# Altium PCB Board.PcbDoc (part 3 of 7)
Units mil, origin at the board's own origin, x right, y up, seen from the top; angles counter-clockwise.
Board outline 7091.76 x 4731.03 mil, 4 copper layers (Top Layer, GND, VCC, Bottom Layer); 297 components, 197 nets, 1031 pads, 468 vias.
Unrouted connection lines stored in the file: 1.
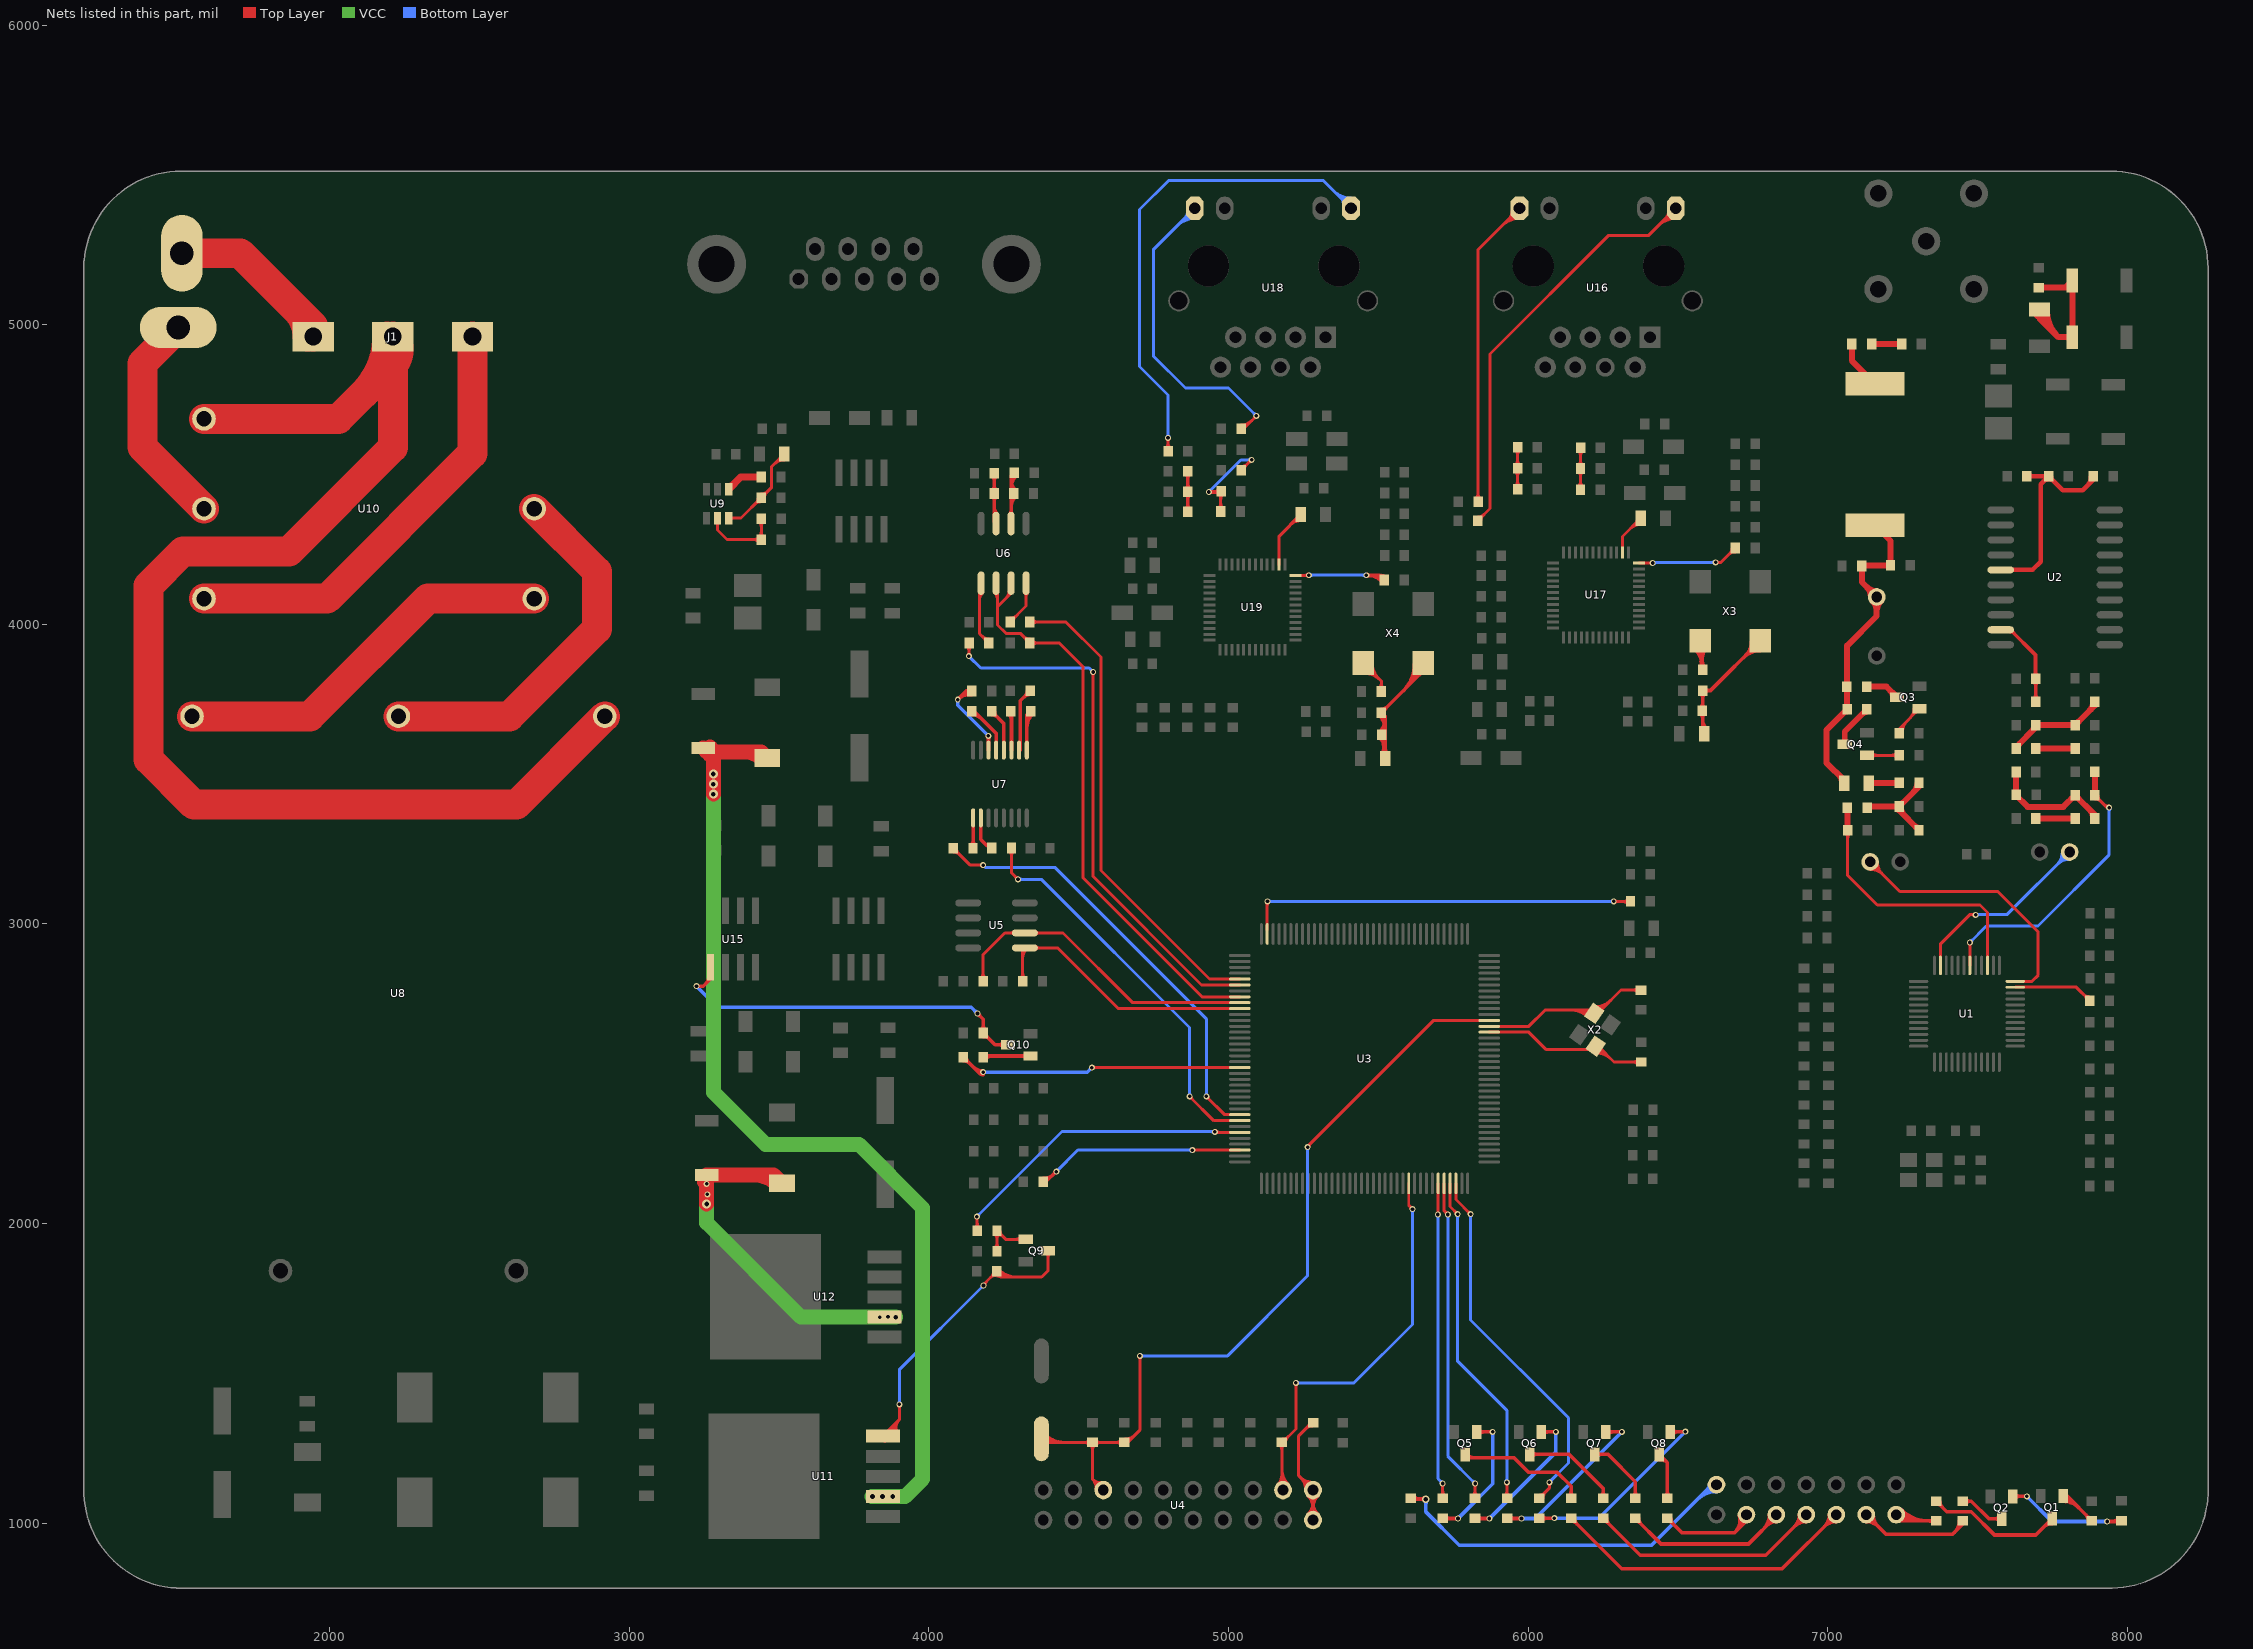
[diagram p5: the nets of this part, all layers, seen from the top]

## Via types
v1: diameter 20, hole 12, Top Layer to Bottom Layer, 399 vias
v2: diameter 30, hole 16, Top Layer to Bottom Layer, 68 vias
v3: diameter 25, hole 15, Top Layer to Bottom Layer, 1 vias

## Nets (pads, with @x,y where several pads share a name; then routed paths per layer and width w, separated by ;. In a path a pad name is that pad's centre, name@x,y a point inside that pad or via, vN(x,y) a via of type N, cw(c..) or ccw(c..) an arc to the next point about the centre after c; other vN are vias at no path point) (continued)
NetC4_2: C4.2 R8.2 U1.6 | length 1082
  Top Layer w10: v1@7471.46,2934.46 cw(c7463.31,2926.31) 7474.84,2926.31 ; U1.6@7474.84,2861.42 7474.84,2937.84 v1(7475,2938) ; 7474.84,2925.55 cw(c7487.45,2925.55) v1@7478.54,2934.46 ; R8.2@7892,3417.12 cw(c7892,3386.42) 7913.71,3408.12 ; R8.2@7892,3429.83 7933.83,3388 v1(7940,3388) ; R8.2@7902.75,3427.86 ccw(c7923.94,3427.86) 7908.96,3412.88 ; 7920.94,3400.9 ccw(c7940,3419.96) v1@7940,3393
  Top Layer w20: R8.2@7892,3429.83 C4.2@7892,3507.67
  Bottom Layer w10: v1(7475,2938) 7530,2993 7702,2993 7940,3231 v1(7940,3388) ; v1@7475,2943 ccw(c7475,2955.07) 7483.54,2946.54 ccw(c7492.07,2938) v1@7480,2938 ; v1@7936.46,3384.46 cw(c7927.93,3375.93) 7940,3375.93 cw(c7952.07,3375.93) v1@7943.54,3384.46
NetC5_1: C5.1 R7.1 | length 131
  Top Layer w20: C5.1@7695,3352 R7.1@7826,3352
NetC7_1: C7.1 R10.1 | length 131.1
  Top Layer w20: R10.1@7695,3585.78 7825.72,3585.78 C7.1@7826,3585.5
NetC8_2: C8.2 R5.1 R7.2 R8.1 | length 484.1
  Top Layer w20: 7629.15,3449.08 ccw(c7646.18,3449.08) C8.2@7634.14,3437.03 ; R5.1@7629.15,3507.29 7629.15,3430.08 7629,3429.93 7667.93,3391 7787.17,3391 R8.1@7826,3429.83 7892,3363.83 R7.2@7892,3352 ; R8.1@7812.83,3416.66 cw(c7826,3403.49) 7826,3422.12 cw(c7826,3403.49) R8.1@7839.17,3416.66 ; 7875.21,3380.62 cw(c7848.56,3353.97) R7.2@7886.25,3353.97
NetC9_2: C9.2 D2.1 D4.2 L1.2 | length 875
  Top Layer w15: D4.2@7816.9,4959 D4.2@7817,4959.1
  Top Layer w20: L1.2@7691.65,5051.62 ccw(c7726.07,5051.61) 7701.73,5027.27 ; L1.2@7698.17,5041.76 cw(c7680.47,5022) 7707,5022 ; C9.2@7705,5124 7793,5124 ; L1.2@7707,5051.61 7707,5022 ; L1.2@7711.65,5051.62 ccw(c7794.32,5051.6) 7735.86,4993.14 ; L1.2@7715.83,5041.76 ccw(c7733.53,5022) 7707,5022 ; L1.2@7731.65,5051.61 ccw(c7862.58,5051.59) 7770,4959 ; 7783.2,5124 ccw(c7783.2,5162.11) D2.1@7810.15,5135.16 ; D2.1@7808.57,5133.08 cw(c7793,5141.89) 7793,5124 ; D4.2@7810.05,4952.15 ccw(c7793.52,4935.62) 7793.52,4959 ccw(c7793.52,4982.38) D4.2@7810.05,4965.85 ; D4.2@7810.05,4985.53 ccw(c7793.27,5002.31) 7817,5002.31 ; D2.1@7810.15,5121.47 cw(c7793.62,5104.93) 7817,5104.93 cw(c7840.38,5104.93) D2.1@7823.85,5121.47 ; D4.2@7816.9,4959 7770,4959 ; D4.2@7817,4959.1 D2.1@7817,5148 7793,5124 ; 7817,5001.82 ccw(c7840.03,5001.82) D4.2@7823.75,4985.53 ; 7707,5022 7770,4959
NetC10_1: C10.1 R1.1 R10.2 R11.1 | length 424.6
  Top Layer w20: R10.2@7629,3585.78 7629,3590 7695,3656 C10.1@7695,3663.71 7695.37,3663.33 R1.1@7826,3663.33 7891.85,3729.18 R11.1@7891.85,3741.73 ; R10.2@7634.75,3587.75 cw(c7654.06,3587.75) R10.2@7640.4,3601.4 ; 7681.13,3642.13 ccw(c7661.52,3661.74) C10.1@7689.25,3661.74 ; R1.1@7826,3671.05 ccw(c7826,3689.68) R1.1@7839.17,3676.51 ; 7874.56,3711.89 ccw(c7846.7,3739.76) R11.1@7886.1,3739.76
NetC12_1: C12.1 R13.1 R15.2 U2.5 | length 868.5
  Top Layer w15: U2.5@7578,4182 7684,4182 7711,4209 7711,4467.44 C12.1@7738,4494.44 ; R13.1@7665,4495 7737.44,4495 C12.1@7738,4494.44 ; R13.1@7670.83,4489.17 cw(c7684.91,4475.09) 7684.91,4495 cw(c7684.91,4514.91) R13.1@7670.83,4500.83 ; 7716.74,4495 cw(c7716.74,4473.18) C12.1@7732.17,4488.61 ; 7719.44,4495 ccw(c7719.44,4513) C12.1@7732.17,4500.27 ; 7720.56,4477 cw(c7738,4459.56) 7738,4484.22 cw(c7738,4459.56) 7755.44,4477 ; C12.1@7725.31,4481.75 ccw(c7714.59,4492.47) C12.1@7729.75,4492.47 ; C12.1@7746.25,4492.47 ccw(c7761.41,4492.47) C12.1@7750.69,4481.75 ; 7865.83,4461.83 ccw(c7834.62,4493.03) R15.2@7878.75,4493.03 ; R15.2@7887,4495 7887,4483 7852,4448 7784.44,4448 C12.1@7738,4494.44
NetC13_2: C13.2 R18.2 U2.9 | length 441.1
  Top Layer w12: U2.9@7578,3982 7610,3982 7694,3898 7694,3820.15 C13.2@7695.15,3819 R18.2@7695.15,3741.07 ; U2.9@7610.48,3976.19 cw(c7610.48,3963.32) 7619.58,3972.42 ; U2.9@7616.29,3982 ccw(c7631.48,3982) 7620.74,3971.26 ; R18.2@7688.26,3749.93 ccw(c7671.62,3766.58) 7695.15,3766.58 ccw(c7718.68,3766.58) R18.2@7702.04,3749.93 ; C13.2@7688.26,3810.14 cw(c7671.62,3793.5) 7695.15,3793.5 cw(c7718.68,3793.5) C13.2@7702.04,3810.14 ; C13.2@7688.26,3827.86 ccw(c7674.39,3841.73) 7694,3841.73 ; 7694,3847.28 ccw(c7721.46,3847.28) C13.2@7702.04,3827.86
NetC14_1: C14.1 C16.1 L2.1 L3.2 R23.2 R25.2 R26.2 | length 1265.1
  Top Layer w20: C14.1@7041.03,3492.97 cw(c7025.94,3477.87) C14.1@7047.28,3477.87 ; C14.1@7055,3470 7055,3479 6996,3538 6996,3647 R25.2@7064,3715 ; R23.2@7064,3792 R25.2@7064,3715 ; R25.2@7065,3708.28 7064,3709.28 R25.2@7064,3715 ; R25.2@7065,3716 R25.2@7064,3715 ; R23.2@7065,3792 7065,3929 7164,4028 L3.2@7164,4091.49 7114,4141.49 C16.1@7114,4195 7116,4197 R26.2@7210,4197 7210,4279 L2.1@7158,4331 ; L3.2@7144.47,4091.49 ccw(c7097.33,4091.49) 7130.66,4124.82 ccw(c7164,4158.16) L3.2@7164,4111.02 ; L3.2@7150.19,4077.68 cw(c7116.86,4044.34) 7164,4044.34 cw(c7211.14,4044.34) L3.2@7177.81,4077.68
NetC14_2: C14.2 R24.1 | length 144.5
  Top Layer w20: C14.2@7137.68,3470 7238,3470 R24.1@7239,3471 ; C14.2@7143.13,3464.54 cw(c7156.31,3451.37) 7156.31,3470 cw(c7156.31,3488.63) C14.2@7143.13,3475.46 ; 7222.78,3470 cw(c7222.78,3452.82) R24.1@7234.94,3464.97
NetC15_1: C15.1 R22.1 | length 100
  Top Layer w20: C15.1@7147,4936 R22.1@7247,4936
NetC15_2: C15.2 L2.2 | length 164.5
  Top Layer w20: C15.2@7081,4936 7081,4880.44 L2.2@7158,4803.44
NetC21_2: C21.2 U1.47 | length 307.8
  Top Layer w10: U1.47@7626.42,2788.58 7830.42,2788.58 C21.2@7875,2744 ; 7853.29,2765.71 ccw(c7875,2787.42) C21.2@7875,2756.72 ; 7858.04,2760.96 cw(c7843.06,2745.97) C21.2@7864.25,2745.97
NetC32_1: C32.1 R30.1 U1.3 | length 975.7
  Top Layer w10: C32.1@7059.4,3303.43 cw(c7041.05,3285.08) 7067,3285.08 cw(c7092.95,3285.08) C32.1@7074.6,3303.43 ; C32.1@7067,3313 7067,3162 7166,3063 7509,3063 7533.9,3038.1 U1.3@7533.9,2861.42
  Top Layer w20: 7066,3331.26 ccw(c7083.29,3331.26) C32.1@7071.06,3319.03 ; R30.1@7066,3388 7066,3314 C32.1@7067,3313
NetC33_1: C33.1 R24.2 R29.2 R30.2 | length 430.6
  Top Layer w20: R30.2@7132,3388 7136,3392 C33.1@7239,3392 ; R30.2@7136.06,3385.9 cw(c7150.78,3371.19) 7150.78,3392 ; C33.1@7239,3399.72 ccw(c7239,3418.35) C33.1@7252.17,3405.17 ; C33.1@7244.75,3390.03 ccw(c7285.26,3390.03) 7256.61,3361.39 ; 7287.39,3440.39 ccw(c7258.74,3469.03) R24.2@7299.25,3469.03 ; R29.2@7291.83,3326.17 ccw(c7305,3339.35) R29.2@7305,3320.72 ; R29.2@7305,3313 7239,3379 C33.1@7239,3392 ; R24.2@7305,3471 7305,3458 C33.1@7239,3392
NetC51_2: C51.2 U3.106 | length 858.3
  Top Layer w10: C51.2@4381,2139 4391,2139 v1(4425,2173) ; C51.2@4381,2141.72 ccw(c4381,2172.42) 4402.71,2150.71 ; C51.2@4381,2151.72 ccw(c4381,2206.56) v1@4419.78,2167.78 ; 4411.51,2163 ccw(c4402.21,2179.11) v1@4420.17,2174.29 ; v1@4420,2173 cw(c4407.93,2173) 4416.46,2164.46 cw(c4425,2155.93) v1@4425,2168 ; v1(4879,2245) 4945,2245 4945.12,2244.88 U3.106@5037.66,2244.88 ; v1@4882.54,2241.46 cw(c4891.07,2232.93) 4891.07,2245 cw(c4891.07,2257.07) v1@4882.54,2248.54
  Bottom Layer w10: v1(4425,2173) 4497,2245 v1(4879,2245) ; v1@4425,2178 ccw(c4425,2190.07) 4433.54,2181.54 ccw(c4442.07,2173) v1@4430,2173 ; v1@4875.46,2241.46 ccw(c4866.93,2232.93) 4866.93,2245 ccw(c4866.93,2257.07) v1@4875.46,2248.54
NetC54_2: C54.2 U4.1 U4.2 | length 853.2
  Top Layer w10: 5237.62,1154.38 ccw(c5282,1198.77) U4.1@5282,1136 ; 5241.17,1150.83 cw(c5201.81,1111.47) U4.1@5257.47,1111.47 ; 5254.69,1137.31 ccw(c5282,1164.63) U4.1@5282,1126 ; 5257.76,1314.76 cw(c5281.03,1291.5) C54.2@5281.03,1324.4 ; 5258.24,1133.76 cw(c5235.95,1111.47) U4.1@5267.47,1111.47 ; U4.2@5264.66,1028.82 ccw(c5222.79,1070.69) 5282,1070.69 ccw(c5341.21,1070.69) U4.2@5299.34,1028.82 ; U4.1@5264.66,1091.18 cw(c5222.79,1049.31) 5282,1049.31 cw(c5341.21,1049.31) U4.1@5299.34,1091.18 ; 5264.72,1321.72 ccw(c5251.29,1335.15) C54.2@5270.28,1335.15 ; U4.2@5271.73,1021.74 ccw(c5246.93,1046.55) 5282,1046.55 ccw(c5317.07,1046.55) U4.2@5292.27,1021.74 ; U4.1@5271.73,1098.26 cw(c5246.93,1073.45) 5282,1073.45 cw(c5317.07,1073.45) U4.1@5292.27,1098.26 ; U4.2@5282,1010 U4.1@5282,1110 5234,1158 5234,1291 5278.15,1335.15 C54.2@5283,1335.15
NetC55_2: C55.2 U3.71 | length 1462.5
  Top Layer w10: v1@5126.46,3071.46 cw(c5119.87,3064.87) 5129.2,3064.87 ; U3.71@5129.2,2980.34 v1@5129.2,3076.2 ; 5129.2,3060.99 cw(c5144.01,3060.99) v1@5133.54,3071.46 ; v1(6286,3075) 6340.95,3075 C55.2@6342,3076.05 ; v1@6289.54,3071.46 cw(c6298.07,3062.93) 6298.07,3075 cw(c6298.07,3087.07) v1@6289.54,3078.54 ; 6313.83,3075 cw(c6313.83,3045.91) C55.2@6334.4,3066.48 ; 6318.28,3075 ccw(c6318.28,3097.8) C55.2@6334.4,3081.68
  Bottom Layer w10: v1(5130,3075) 5142,3075 ; v1@5133.54,3071.46 cw(c5142.07,3062.93) 5142.07,3075 cw(c5142.07,3087.07) v1@5133.54,3078.54 ; v1@6282.46,3071.46 ccw(c6273.93,3062.93) 6273.93,3075 ccw(c6273.93,3087.07) v1@6282.46,3078.54 ; v1(6286,3075) 5142,3075 ; 5142,3075 ccw(c5142,3063.1) 5133.55,3071.48 cw(c5142,3063.1) 5142,3075 ; 5142,3075 cw(c5142,3086.9) 5133.55,3078.52 ccw(c5142,3086.9) 5142,3075
NetC61_1: C61.1 U7.3 | length 167.8
  Top Layer w12: C61.1@4266.11,3701.14 cw(c4243.71,3678.74) 4275.39,3678.74 ; C61.1@4273,3710 4275.39,3707.61 U7.3@4275.39,3580.19 ; 4275.39,3690.26 cw(c4290.77,3690.26) C61.1@4279.89,3701.14
NetC61_2: C61.2 U7.1 | length 215.9
  Top Layer w12: U7.1@4326.57,3580.19 4326.57,3697.57 C61.2@4339,3710 ; 4326.57,3654.48 cw(c4392.55,3654.48) C61.2@4345.89,3701.14 ; 4326.57,3683.45 cw(c4363.58,3683.45) C61.2@4337.41,3709.62
NetC62_1: C62.1 U7.2 | length 249.5
  Top Layer w12: U7.2@4304.98,3579.19 4304.98,3738.98 4305,3745 C62.1@4338,3778 ; 4318,3758 cw(c4338,3738) C62.1@4338,3766.28 ; C62.1@4322.75,3762.75 ccw(c4309.47,3776.03) C62.1@4328.25,3776.03
NetC63_1: C63.1 U7.5 | length 203
  Top Layer w12: C63.1@4143,3698.28 cw(c4143,3653.1) 4174.95,3685.05 ; C63.1@4143,3710 4150,3710 4224.2,3635.8 U7.5@4224.2,3580.19
NetC63_2: C63.2 U7.4 | length 183.7
  Top Layer w12: C63.2@4209,3698.28 cw(c4209,3670) 4229,3690 ; C63.2@4209,3710 4249.8,3669.2 U7.4@4249.8,3580.19 ; C63.2@4218.75,3708.03 ccw(c4237.53,3708.03) C63.2@4224.25,3694.75
NetC64_1: C64.1 U7.6 | length 386.6
  Top Layer w12: 4114.17,3767.17 cw(c4139.97,3741.36) C64.1@4143.2,3777.72 ; C64.1@4134.97,3771.91 ccw(c4124.44,3764.65) 4124.44,3777.44 ; C64.1@4134.97,3782.97 cw(c4124.44,3790.23) 4124.44,3777.44 ; C64.1@4142.14,3765.76 ccw(c4137.01,3707.99) v1(4096,3749) 4124.44,3777.44 ; C64.1@4143,3777.44 4124.44,3777.44 ; v1@4195.17,3625.17 cw(c4186.86,3616.86) 4198.61,3616.86 ; v1(4198,3628) 4198.61,3627.39 U7.6@4198.61,3580.19
  Bottom Layer w12: v1(4096,3749) 4096,3730 v1(4198,3628)
NetC65_1: C65.1 R61.2 U9.6 | length 490.8
  Top Layer w10: U9.6@3331.4,4354.77 3372.44,4354.77 R61.2@3440,4422.33 3475,4457.33 3475,4527 C65.1@3517,4569 ; U9.6@3336.22,4349.96 cw(c3347.84,4338.33) 3347.84,4354.77 cw(c3347.84,4371.21) U9.6@3336.22,4359.59 ; 3418.29,4400.62 cw(c3440,4378.92) R61.2@3440,4409.62 ; 3423.04,4405.38 ccw(c3408.06,4420.36) R61.2@3429.25,4420.36 ; R61.2@3440,4435.05 ccw(c3440,4465.75) 3461.71,4444.04 ; R61.2@3450.75,4424.3 cw(c3471.94,4424.3) 3456.96,4439.29 ; 3481.85,4533.85 cw(c3517,4498.7) C65.1@3517,4548.41 ; 3498.92,4550.92 cw(c3517,4532.84) C65.1@3517,4558.41 ; C65.1@3500.86,4552.86 ccw(c3492.59,4561.13) C65.1@3504.28,4561.13
NetC91_1: C91.1 R85.2 R87.2 | length 303.1
  Top Layer w10: R85.2@6167.4,4459.57 ccw(c6149.05,4477.92) 6175,4477.92 ccw(c6200.95,4477.92) R85.2@6182.6,4459.57 ; R87.2@6167.4,4510.71 cw(c6149.05,4492.36) 6175,4492.36 cw(c6200.95,4492.36) R87.2@6182.6,4510.71 ; R87.2@6167.4,4529.85 ccw(c6149.05,4548.2) 6175,4548.2 ccw(c6200.95,4548.2) R87.2@6182.6,4529.85 ; C91.1@6167.55,4580.43 cw(c6149.56,4562.44) 6175,4562.44 ; R85.2@6175,4450 R87.2@6175,4520.28 6175,4589.85 C91.1@6175.15,4590 ; 6175,4561.72 cw(c6201.46,4561.72) C91.1@6182.75,4580.43
NetC92_1: C92.1 R88.2 R89.2 | length 303.1
  Top Layer w10: R89.2@5957.4,4460.57 ccw(c5939.05,4478.92) 5965,4478.92 ccw(c5990.95,4478.92) R89.2@5972.6,4460.57 ; R88.2@5957.4,4511.71 cw(c5939.05,4493.36) 5965,4493.36 cw(c5990.95,4493.36) R88.2@5972.6,4511.71 ; R88.2@5957.4,4530.85 ccw(c5939.05,4549.2) 5965,4549.2 ccw(c5990.95,4549.2) R88.2@5972.6,4530.85 ; C92.1@5957.55,4581.43 cw(c5939.56,4563.44) 5965,4563.44 ; R89.2@5965,4451 R88.2@5965,4521.28 5965,4590.85 C92.1@5965.15,4591 ; 5965,4562.72 cw(c5991.46,4562.72) C92.1@5972.75,4581.43
NetC98_1: C98.1 C99.1 L9.2 X3.4 | length 767.1
  Top Layer w10: L9.2@6583,3639.68 L9.2@6587.68,3635
  Top Layer w12: C98.1@6575.11,3703.14 cw(c6556.05,3684.08) 6583,3684.08 ; C98.1@6575.11,3720.86 ccw(c6556.05,3739.92) 6583,3739.92 ; C99.1@6576.11,3770.14 cw(c6559.47,3753.5) 6583,3753.5 cw(c6606.53,3753.5) C99.1@6589.89,3770.14 ; L9.2@6583,3639.68 C99.1@6583,3779 6608.85,3779 X3.4@6775,3945.15 ; 6583,3682.45 ccw(c6627.26,3682.45) L9.2@6595.96,3651.16 ; 6583,3688.91 cw(c6603.12,3688.91) C98.1@6588.89,3703.14 ; 6583,3735.09 ccw(c6603.12,3735.09) C98.1@6588.89,3720.86 ; C99.1@6589.89,3772.11 cw(c6606.53,3755.47) 6606.53,3779 cw(c6606.53,3802.53) C99.1@6589.89,3785.89 ; 6718.03,3888.18 cw(c6775,3831.22) X3.4@6775,3911.78 ; 6727.54,3897.69 ccw(c6684.01,3941.21) X3.4@6745.57,3941.21 ; 6738.52,3908.67 cw(c6775,3872.19) X3.4@6775,3923.78 ; X3.4@6748.02,3918.17 ccw(c6724.98,3941.21) X3.4@6757.57,3941.21
NetC104_1: C104.1 R105.2 R107.2 | length 560.6
  Top Layer w10: R107.2@4966.4,4386.57 ccw(c4948.05,4404.92) 4974,4404.92 ccw(c4999.95,4404.92) R107.2@4981.6,4386.57 ; R105.2@4967.4,4435.43 cw(c4951.47,4419.5) 4974,4419.5 ; R107.2@4974,4377 R105.2@4974,4444 ; 4974,4414.67 cw(c5003.36,4414.67) R105.2@4982.6,4435.43 ; C104.1@5041.85,4514.74 5076.11,4549 v1(5077,4549) ; C104.1@5041.85,4527.45 ccw(c5041.85,4558.15) 5063.56,4536.44 ; C104.1@5052.6,4516.7 cw(c5073.79,4516.7) 5058.81,4531.69 ; 5066.95,4539.84 cw(c5077,4529.79) v1@5077,4544 ; 5069.09,4541.98 ccw(c5062.07,4549) v1@5072,4549
  Top Layer w12: v1(4934,4442) 4972,4442 R105.2@4974,4444 ; 4948.98,4442 ccw(c4948.98,4469.06) R105.2@4968.11,4449.92 ; 4953.96,4442 cw(c4953.96,4421.99) R105.2@4968.11,4436.14
  Bottom Layer w10: v1(4934,4442) 5041,4549 v1(5077,4549) ; v1@4934,4447 ccw(c4934,4459.07) 4942.54,4450.54 ccw(c4951.07,4442) v1@4939,4442 ; v1@5073.46,4545.46 ccw(c5064.93,4536.93) 5064.93,4549 ccw(c5064.93,4561.07) v1@5073.46,4552.54
NetC105_1: C105.1 R108.2 R109.2 | length 290.7
  Top Layer w11: C105.1@4856.75,4502.01 cw(c4838.9,4484.16) 4864.15,4484.16 ; R109.2@4856.9,4385.21 ccw(c4839.41,4402.71) 4864.15,4402.71 ccw(c4888.89,4402.71) R109.2@4871.4,4385.21 ; R108.2@4856.9,4434.12 cw(c4839.41,4416.62) 4864.15,4416.62 cw(c4888.89,4416.62) R108.2@4871.4,4434.12 ; R108.2@4856.9,4452.55 ccw(c4839.41,4470.04) 4864.15,4470.04 ccw(c4888.89,4470.04) R108.2@4871.4,4452.55 ; C105.1@4864,4511.23 4864.15,4511.08 R108.2@4864.15,4443.33 R109.2@4864.15,4376 ; 4864.15,4484.88 cw(c4888.38,4484.88) C105.1@4871.25,4502.01
NetC111_1: C111.1 C112.1 L13.2 X4.4 | length 983.3
  Top Layer w12: C112.1@5503.11,3696.14 cw(c5455.86,3648.89) 5522.68,3648.89 ; C111.1@5504.11,3622.14 cw(c5459.27,3577.31) L13.2@5522.68,3577.31 ; C111.1@5504.11,3639.86 ccw(c5459.27,3684.69) 5522.68,3684.69 ; C112.1@5510,3716.72 ccw(c5510,3745) 5530,3725 ; C112.1@5511.59,3704.62 cw(c5484.83,3677.86) 5522.68,3677.86 ; L13.2@5512.53,3565.73 ccw(c5474.69,3587.58) 5516.9,3598.89 ; C111.1@5512.59,3630.62 cw(c5488.25,3606.28) 5522.68,3606.28 ; C111.1@5512.59,3631.38 ccw(c5488.25,3655.72) 5522.68,3655.72 ; L13.2@5514.39,3568.16 ccw(c5494.39,3588.16) 5522.68,3588.16 ccw(c5550.96,3588.16) L13.2@5530.96,3568.16 ; C112.1@5519.75,3706.97 cw(c5538.53,3706.97) C112.1@5525.25,3720.25 ; 5522.53,3577.84 ccw(c5534.98,3581.18) L13.2@5528.54,3570.02 ; L13.2@5522.68,3552 5522.68,3692.32 C112.1@5510,3705 5650,3845 X4.4@5650,3871.15 ; 5584.05,3779.05 ccw(c5495.88,3867.21) X4.4@5620.57,3867.21 ; 5604.53,3799.53 ccw(c5536.85,3867.21) X4.4@5632.57,3867.21 ; 5625.02,3820.02 ccw(c5577.82,3867.21) X4.4@5644.57,3867.21 ; X4.4@5637.67,3832.67 cw(c5650,3820.35) X4.4@5650,3837.78
NetD6_2: D6.2 L5.1 U11.2 | length 3585.5
  Top Layer w50: D6.2@3260.37,3586.9 ccw(c3295.06,3586.9) 3270.53,3562.37 ; D6.2@3261.93,3583.14 ccw(c3283.99,3605.2) D6.2@3283.99,3574 ; v2(3280,3433) 3280,3552.9 D6.2@3246,3586.9 3258.9,3574 3440,3574 L5.1@3460,3554 ; 3387.01,3574 cw(c3387.01,3494.79) L5.1@3443.02,3550.8 ; D6.2@3269.44,3590.66 cw(c3243.96,3565.17) 3280,3565.17 ccw(c3243.96,3565.17) D6.2@3269.44,3590.66
  VCC w50: v2@3281,3500 3281,2437 3454,2264 3766,2264 3979,2051 3979,1147 3920,1088 v2@3809,1088
  other v2: 3811,1088 3845,1088 3879,1088 3280,3466.5 3280,3500
NetD7_2: D7.2 L6.1 U12.2 | length 1314
  Top Layer w50: 3250.93,2139.07 v1(3258,2132) v2(3258,2065) ; D7.2@3258,2161.9 3481.1,2161.9 L6.1@3509,2134 ; 3416.94,2161.9 cw(c3416.94,2055.72) L6.1@3492.02,2130.8
  VCC w50: v1(3258,2132) v2(3258,2065) 3258,2002 3572,1688 v2@3889,1688
  other v1: 3836,1687 3863,1688 3260,2097
  other v2: 3889,1687
NetJ1_1: J1.1 U10.3 | length 1486.9
  Top Layer w100: U10.3@1579.75,4086 1990.75,4086 2475.75,4571 J1.1@2475.75,4961
NetJ1_2: J1.2 U8.1 U10.1 | length 4688.3
  Top Layer w100: U10.1@1579.75,4686 2028.75,4686 2210,4867.25 ; 2111.45,4768.7 ccw(c1919.15,4961) J1.2@2191.1,4961 ; J1.2@2210,4961 2210,4867.25 ; J1.2@2210.56,4961.55 cw(c2162.57,4914.69) 2210,4867.25 ; U8.1@2917.72,3693 2622.72,3398 1545.75,3398 1394.75,3549 1394.75,4129 1509.75,4244 1863.75,4244 2210,4590.25 2210,4867.25
NetJ1_3: J1.3 K2.1 | length 675.1
  Top Layer w100: K2.1@1505.75,5239 1700.75,5239 1944.25,4995.5 J1.3@1944.25,4961 ; 1887.6,5052.15 cw(c1796.45,4961) J1.3@1925.35,4961
NetK2_2: K2.2 U10.2 | length 740.1
  Top Layer w100: K2.2@1493.94,4990.97 1373.75,4870.78 1373.75,4592 U10.2@1579.75,4386
NetL7_1: L7.1 U17.14 | length 207.1
  Top Layer w10: U17.14@6315.58,4240.27 6315.58,4293.58 L7.1@6376,4354 ; 6340.85,4318.85 cw(c6376,4283.7) L7.1@6376,4333.41 ; 6357.92,4335.92 cw(c6376,4317.84) L7.1@6376,4343.41 ; L7.1@6359.86,4337.86 ccw(c6351.59,4346.13) L7.1@6363.28,4346.13
NetL11_1: L11.1 U19.14 | length 235.8
  Top Layer w11: U19.14@5168.58,4199.27 5168.58,4294.58 L11.1@5241,4367 ; 5206.7,4332.7 cw(c5241,4298.41) L11.1@5241,4346.91
NetLED1_2: R16.2 Tx.2 | length 527
  Top Layer w12: Tx.2@7129,1004.47 cw(c7129,947.67) 7169.16,987.84 cw(c7209.33,1028) Tx.2@7152.53,1028 ; Tx.2@7129,1028 7195,962 7417,962 7451,996 R16.2@7451,1007 ; 7423.22,968.22 ccw(c7384.44,1007) R16.2@7439.28,1007 ; 7443.71,988.71 ccw(c7425.41,1007) R16.2@7451.28,1007
NetLED2_2: R17.2 Rx.2 | length 432.9
  Top Layer w12: Rx.2@7228.67,1027.67 ccw(c7278.56,1077.56) 7278.56,1007 ; Rx.2@7229,1028 7250,1007 ; Rx.2@7237.15,1036.15 ccw(c7307.53,1106.53) 7307.53,1007 ; Rx.2@7241.39,1008 cw(c7245.06,1002.07) 7250,1007 ; Rx.2@7245.64,1044.64 ccw(c7336.5,1135.5) 7336.5,1007 ; Rx.2@7249,1015.61 ccw(c7254.93,1011.94) 7250,1007 ; R17.2@7354.14,1000.11 ccw(c7337.5,983.47) 7337.5,1007 ccw(c7337.5,1030.53) R17.2@7354.14,1013.89 ; R17.2@7363,1007 7250,1007
NetLED3_2: 4.2 R50.2 | length 1156.5
  Top Layer w12: R50.2@6143.62,1016 6312.62,847 6848,847 4.2@7029,1028 ; R50.2@6145.59,1006.25 cw(c6145.59,987.47) R50.2@6158.87,1000.75 ; R50.2@6155.34,1016 ccw(c6183.63,1016) 6163.63,996 ; 4.2@7005.47,1028 cw(c6948.67,1028) 6988.84,987.84 cw(c7029,947.67) 4.2@7029,1004.47
NetLED4_2: 3.2 R51.2 | length 912.1
  Top Layer w12: R51.2@6250.75,1016 6374.75,892 6793,892 3.2@6929,1028 ; R51.2@6252.72,1006.25 cw(c6252.72,987.47) R51.2@6266,1000.75 ; R51.2@6262.47,1016 ccw(c6290.75,1016) 6270.75,996 ; 3.2@6905.47,1028 cw(c6848.67,1028) 6888.84,987.84 cw(c6929,947.67) 3.2@6929,1004.47
NetLED5_2: 2.2 R52.2 | length 707.8
  Top Layer w12: R52.2@6357.87,1016 6443.87,930 6736,930 6829,1023 2.2@6829,1028 ; R52.2@6359.84,1006.25 cw(c6359.84,987.47) R52.2@6373.12,1000.75 ; R52.2@6369.59,1016 ccw(c6397.88,1016) 6377.88,996 ; 6785.3,979.3 ccw(c6736.6,1028) 2.2@6805.47,1028 ; 6797.37,991.37 cw(c6829,959.74) 2.2@6829,1004.47 ; 6805.79,999.79 ccw(c6777.57,1028) 2.2@6817.47,1028
NetLED6_2: 1.2 R53.2 | length 498.9
  Top Layer w12: R53.2@6465,1016 6514,967 6689,967 ; R53.2@6466.97,1006.25 cw(c6466.97,987.47) R53.2@6480.25,1000.75 ; R53.2@6476.72,1016 ccw(c6505,1016) 6485,996 ; 6704.79,982.79 ccw(c6671.32,1016.26) 1.2@6717.7,1025.7 ; 1.2@6705.95,1023.31 cw(c6645.08,1010.92) 6689,967 ; 6720.58,998.58 ccw(c6697.56,1021.6) 1.2@6729.46,1028.09 ; 1.2@6729,1028 6729,1007 6689,967
NetLED7_1: Power.1 R66.1 | length 1420.3
  Top Layer w12: R66.1@5608,1082 5610,1080 v3(5659,1080) ; R66.1@5616.86,1075.11 cw(c5628.67,1063.29) 5628.67,1080 ; R66.1@5616.86,1088.89 ccw(c5638.33,1110.36) 5638.33,1080 ; v3@5654.4,1075.4 ccw(c5643.31,1064.31) 5643.31,1080 ccw(c5643.31,1095.69) v3@5654.4,1084.6
  Bottom Layer w12: v3@5654.4,1075.4 cw(c5643.31,1064.31) 5659,1064.31 cw(c5674.69,1064.31) v3@5663.6,1075.4 ; v3(5659,1080) 5659,1037 5770,926 6412,926 6614,1128 Power.1@6629,1128 ; 6563.23,1077.23 cw(c6629,1011.46) Power.1@6629,1104.47 ; 6583.71,1097.71 cw(c6629,1052.43) Power.1@6629,1116.47 ; 6599.44,1113.44 ccw(c6584.89,1128) Power.1@6605.47,1128